# Altium PCB CYAN_EVSE_Logic_board_v1.2.PcbDoc (continued)
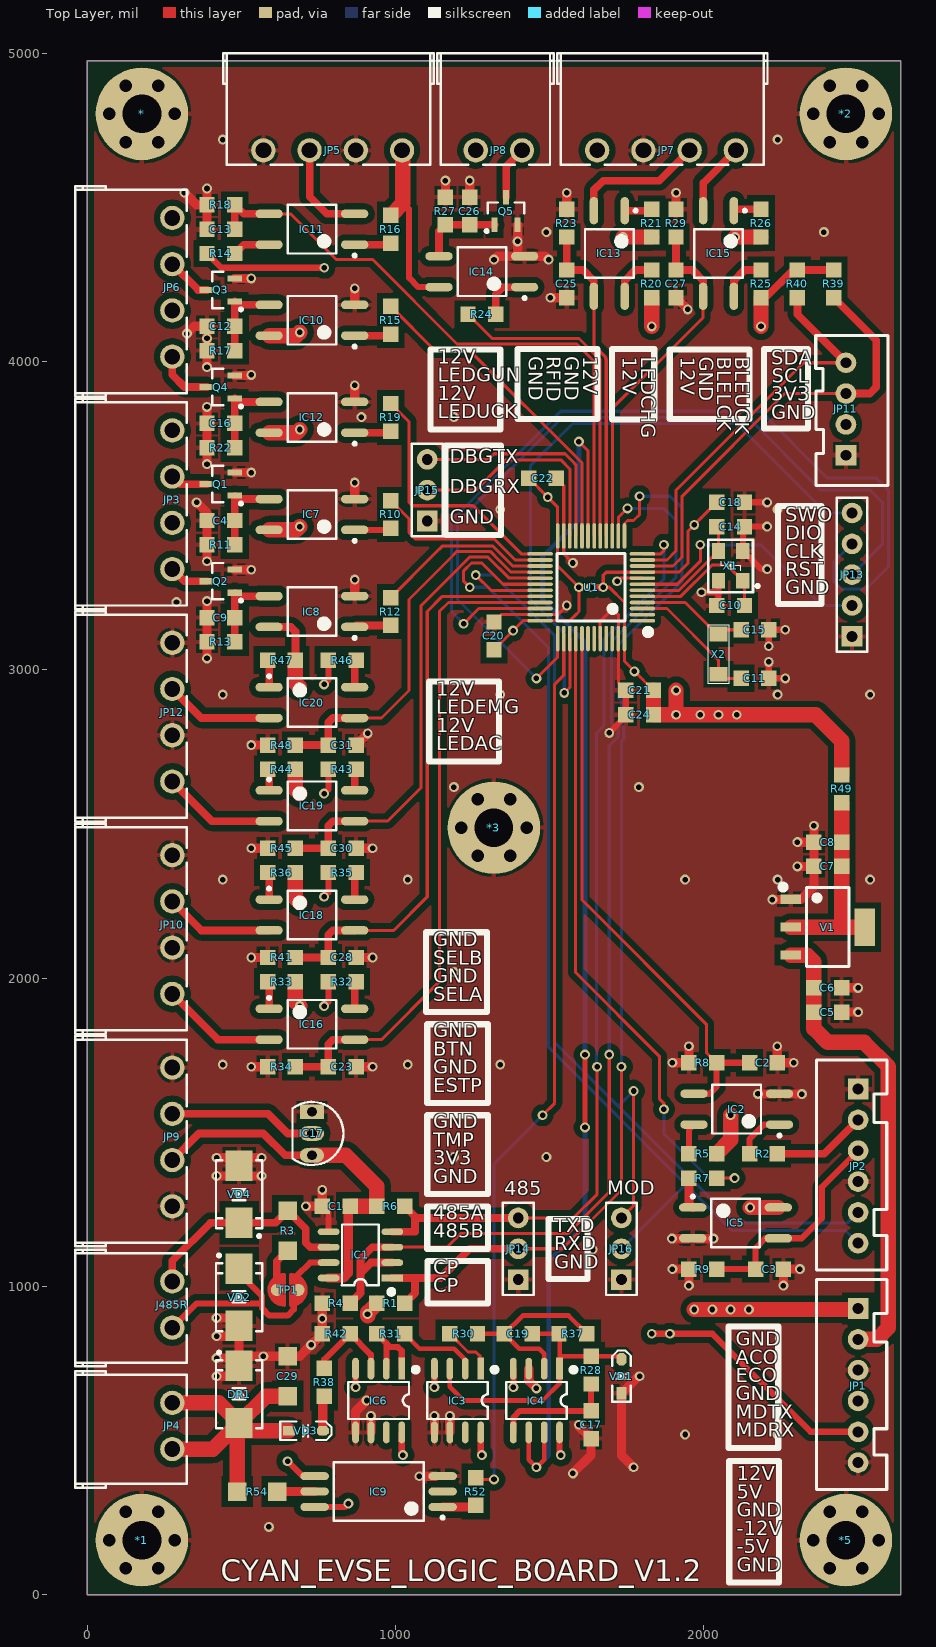
[diagram p0: Top Layer view]
## Via types (continued)

## Nets (pads, with @x,y where several pads share a name; then routed paths per layer and width w, separated by ;. In a path a pad name is that pad's centre, name@x,y a point inside that pad or via, vN(x,y) a via of type N, cw(c..) or ccw(c..) an arc to the next point about the centre after c; other vN are vias at no path point)
18B20_DATA: IC17.2 JP9.2 | length 479.2
  Top Layer w25: JP9.2 585.83,1559.84 649.61,1496.06 IC17.2
232_RX: JP2.6 JP16.2 U1.30 | length 3543.5
  Top Layer w10: v1(1240.16,3267.72) 1220.47,3287.4 1220.47,3321 1245.93,3346.46 1279.53,3346.46 1348.42,3277.56 U1.30
  Bottom Layer w10: v1(1240.16,3267.72) 1299.21,3267.72 1496.06,3070.87 1496.06,1775.67 1933.15,1338.58 1938.1,1333.63 1940.98,1330.75 ; JP16.2 1940.98,1330.75 ; JP2.6 2459,1181.16 2090.57,1181.16 1940.98,1330.75
232_TX: JP2.5 JP16.3 U1.31 | length 3624.7
  Top Layer w10: v1(1259.84,3307.09) 1309.06,3257.87 U1.31 ; JP16.3 1771.65,1261.42 v1(1771.65,1633.86)
  Bottom Layer w10: v1(1259.84,3307.09) 1318.9,3307.09 1515.75,3110.24 1515.75,1791.34 1724.03,1583.06 ; v1(1771.65,1633.86) 1724.03,1586.23 1724.03,1583.06 ; JP2.5 2466,1206.16 2100.93,1206.16 1724.03,1583.06
485_CS: IC1.2 IC1.3 R4.2 U1.14 | length 3737.5
  Top Layer w10: IC1.3 1166.73,1127.36 1210.55,1171.18 1558.04,1171.18 1692.91,1306.06 v1(1692.91,1751.97) ; U1.14 1722.44,3494.1 v1(1751.97,3523.62)
  Top Layer w25: R4.2 885.83,978.62 885.83,1043.31 ; IC1.2 919.88,1077.36 885.83,1043.31 ; IC1.3 924.61,1127.36 885.83,1088.58 885.83,1043.31
  Bottom Layer w10: v1(1692.91,1751.97) 1692.91,2754.26 1714.28,2775.63 1721.91,2783.26 1721.91,2807.29 1714.28,2814.92 1704.93,2824.28 1699.44,2824.28 1699.44,2900.01 1699.44,3090.24 1909.45,3300.24 1909.45,3484.25 1870.08,3523.62 v1(1751.97,3523.62)
AC_LED: R12.2 U1.27 | length 581
  Top Layer w10: R12.2 1126.26,3375.98 1152.42,3402.14 1225.25,3402.14 1314.12,3402.14 1340.28,3375.98 1379.65,3336.61 U1.27
AC_OUT_IN: C2.2 IC2.3 R8.2 U1.41 | length 1847.5
  Top Layer w10: U1.41@1604.33,3124.24 1604.33,2253.94 2007.87,1850.39 2007.87,1758.65 R8.2
  Top Layer w20: IC2.3 2018.5,1624.8 2041.1,1647.39 R8.2 C2.2
BLE_LOCK: C25.2 IC13.3 R23.2 U1.16 | length 1054
  Top Layer w10: IC13.3 1642.91,4051.83 1681.39,4013.36 1681.39,4007.59 1683.07,4005.91 U1.16
  Top Layer w25: R23.2 C25.2 1608.54,4296.97 1642.91,4262.6 IC13.3
BLE_UNLOCK: C27.2 IC15.3 R29.2 U1.15 | length 1159.3
  Top Layer w10: U1.15 1702.76,3848.43 1997.24,4142.91 IC15.3
  Top Layer w25: R29.2 C27.2 1962.87,4296.97 1997.24,4262.6 IC15.3
BTN: C28.2 IC18.3 R41.2 U1.32 | length 1871.4
  Top Layer w10: IC18.3 993.31,2154.72 1102.36,2263.78 1102.36,3188.98 1151.58,3238.19 U1.32
  Top Layer w25: R41.2 C28.2 ; C28.2@787.4,2072.56 C28.2 ; IC18.3 796.46,2154.72 781.77,2140.04 C28.2
CHG_LED: R24.2 U1.17 | length 1061.8
  Top Layer w10: R24.2 1313.27,4074.8 1594.49,4074.8 1663.39,4005.91 U1.17
CM_CP_SIG: IC4.6 IC4.7 U1.19 | length 4063.3
  Top Layer w10: v1(1594.49,3740.16) 1624.02,3710.63 U1.19
  Top Layer w15: IC4.6 1431.69,438.39 v1(1456.69,413.39) 1481.69,438.39 IC4.7 ; v1(1614.17,1515.75) v1(1614.17,1751.97)
  Bottom Layer w15: v1(1456.69,413.39) 1496.06,452.76 1496.06,1082.68 1614.17,1200.79 v1(1614.17,1515.75) ; v1(1594.49,3740.16) 1594.49,3484.25 1476.38,3366.14 1476.38,3228.35 1614.17,3090.55 v1(1614.17,1751.97)
CP: C29.2 DR1.1 JP4.1 JP4.2 R54.1 VD3.1 | length 1077.1
  Top Layer w50: JP4.2 407.48,472.44 DR1.1@486.18,551.14 ; JP4.1 426.77,622.44 DR1.1 ; R54.1 DR1.1@486.18,551.14 ; C29.2 578.7,643.66 DR1.1 ; VD3.1 517.72,531.5 DR1.1 ; DR1.1@486.18,551.14 DR1.1
CP_SIG: R52.1 U1.38 | length 2882.4
  Top Layer w10: R52.1 1265.47,374.02 v1(1318.9,374.02) ; v1(1476.38,1555.12) 1515.75,1594.49 1515.75,2893.7 1515.75,2952.76 1545.28,2982.28 U1.38
  Bottom Layer w10: v1(1318.9,374.02) 1318.9,1397.64 v1(1476.38,1555.12)
DEBUG_RX: JP15.2 U1.22 | length 733
  Top Layer w10: JP15.2 1259.84,3582.68 1358.27,3681.1 1535.43,3681.1 1564.96,3651.58 U1.22
DEBUG_TX: JP15.3 U1.21 | length 735.8
  Top Layer w10: JP15.3 1300.79,3682.68 1318.9,3700.79 1549.35,3700.79 1562.08,3688.06 1571.92,3678.22 1584.65,3665.49 U1.21
EMG_OUT: R10.2 U1.26 | length 590.3
  Top Layer w10: R10.2 1043.31,3489.88 1043.31,3444.88 1062.99,3425.2 1318.9,3425.2 1387.79,3356.3 U1.26
EMG_STOP: C23.2 IC16.3 R34.2 U1.33 | length 2163.5
  Top Layer w10: IC16.3 953.94,1800.39 1141.73,1988.19 1141.73,3188.98 1171.26,3218.5 U1.33
  Top Layer w25: R34.2 C23.2 781.77,1785.71 796.46,1800.39 IC16.3
GND: *1.0 *2.0 *3.0 *5.0 *.0 C1.1 C2.1 C3.1 C4.1 C5.1 C6.2 C7.2 C8.1 C9.1 C10.2 C11.1 C12.1 C13.1 C14.2 C15.1 C16.1 C17.2 C18.1 C20.1 C21.1 C22.1 C23.1 C24.2 C25.1 C26.1 C27.1 C28.1 C29.1 C30.1 C31.1 DR1.2 IC1.5 IC2.2 IC3.5 IC3.6 IC4.3 IC5.2 IC6.5 IC6.6 IC7.2 IC8.2 IC9.3 IC10.2 IC12.2 IC14.2 IC17.1 JP1.3 JP1.6 JP2.1 JP2.4 JP5.2 JP5.4 JP7.3 JP9.1 JP9.4 JP10.1 JP10.3 JP11.1 JP12.1 JP12.3 JP13.1 JP14.1 JP15.1 JP16.1 Q1.2 Q2.2 Q3.2 Q4.2 Q5.2 R4.1 R8.1 R9.1 R11.1 R13.1 R17.1 R18.1 R22.1 R23.1 R27.1 R29.1 R34.1 R41.1 R42.1 R45.1 R48.1 U1.8 U1.23 U1.35 U1.44 U1.47 V1.1 VD1.1 VD2.1 VD4.1 X1.2 X1.4 | length 7668.1
  Top Layer w10: C20.1 1342.79,3179.13 U1.35 1525.59,3179.13 v1(1555.12,3208.66) ; C22.1 1545.28,3598.15 U1.23 1545.28,3375.98 v1(1574.8,3346.46) ; U1.44 1663.39,3157.24 v1(1703.86,3197.72) 1722.44,3179.13 1722.44,2956.97 C21.1 ; v1(1718.37,3287.4) 1728.21,3297.24 U1.8
  Top Layer w20: C1.1 782.48,1239.45 IC1.5 ; v1(1692.91,2795.28) 1746.34,2848.7 C24.2 C21.1 ; v1(1991.98,3251.83) 2047.24,3251.83 ; C10.2 2047.24,3214.29 2047.24,3251.83 ; X1.4 2047.24,3251.83 ; C14.2@2126.24,3459.2 X1.2 2185.3,3326.77 v1(2204.72,3326.77) ; C14.2 v1(2204.72,3464.57) ; C18.1 v1(2204.72,3543.31) ; v1(2210.36,3025.87) C11.1 v1(2263.78,2972.44) ; v1(2210.35,3076.5) C15.1 v1(2263.78,3129.92)
  Top Layer w30: v1(314.96,4547.24) 354.33,4507.87 R18.1 ; v1(323.03,4090.75) 346.46,4114.17 C12.1 v1(388.07,4074.8) R17.1 v1(388.07,3982.01) ; v1(354.33,3543.31) 388.07,3509.57 C4.1 R11.1 v1(388.07,3352.09) ; v1(388.07,3037.13) R13.1 C9.1 v1(388.07,3222.71) ; v1(388.07,3667.05) R22.1 C16.1 v1(388.07,3852.64) ; C13.1 R18.1 ; v1(388.07,4561.3) R18.1 ; v1(419.02,708.66) DR1.2@472.44,708.66 ; v1(419.02,767.72) DR1.2@472.44,767.72 ; v1(419.02,838.58) VD2.1@472.44,838.58 ; v1(419.02,897.64) VD2.1@472.44,897.64 ; v1(419.02,1358.27) VD4.1@472.44,1358.27 ; v1(419.02,1417.32) VD4.1@472.44,1417.32 ; Q2.2 v1(531.5,3324.8) ; Q1.2 v1(531.5,3639.76) ; Q4.2 529.53,3954.72 v1(531.5,3956.69) ; Q3.2 v1(531.5,4269.68) ; VD2.1 DR1.2 523.66,773.66 v1(570.87,773.66) C29.1 689.29,773.66 v1(725.69,810.06) R42.1 v1(762.09,895.67) R4.1 ; VD4.1@511.81,1358.27 v1(565.24,1358.27) ; VD4.1@511.81,1417.32 v1(565.24,1417.32) ; v1(531.5,1712.6) R34.1 ; v1(531.5,2066.93) R41.1 ; v1(531.5,2421.26) R45.1 ; v1(531.5,2755.91) R48.1 ; v1(708.66,1259.84) C1.1 v1(762.09,1313.27) ; IC8.2 v1(867.13,3292.4) ; IC7.2 v1(867.13,3607.36) ; IC12.2 v1(867.13,3922.32) ; IC10.2 v1(867.13,4237.28) ; IC6.5 869.88,594.29 v1(905.51,629.92) ; C23.1 v1(925.2,1712.6) ; C28.1 v1(925.2,2066.93) ; C30.1 v1(925.2,2421.26) ; C31.1 v1(909.55,2793.68) ; IC6.6 v1(919.88,580) ; v1(1076.36,384.03) IC9.3@1129.79,384.03 ; IC3.5 v1(1125.79,580) ; R27.1 v1(1161.42,4586.61) ; IC3.6 v1(1175.79,580) ; C26.1 v1(1240.16,4586.61) ; v1(1318.9,4330.71) 1329.96,4341.77 IC14.2@1402.36,4341.77 ; v1(1395.67,4389.76) Q5.2 ; 1395.67,4416.48 1395.67,4352.36 1406.69,4341.34 IC14.2 ; IC14.2@1424.42,4341.77 1485.01,4341.77 v1(1496.06,4330.71) ; IC4.3 1431.69,694.29 v1(1456.69,669.29) ; v1(1501.69,4206.97) C25.1 ; R23.1 v1(1555.12,4547.24) ; v1(1574.8,393.7) 1633.86,452.76 C17.2 1594.49,545.55 v1(1594.49,551.18) ; v1(1771.65,413.39) 1732.28,452.76 VD1.1 1787.4,708.66 v1(1791.34,708.66) ; v1(1896.02,1155) IC5.2@1949.45,1155 ; v1(1897.67,1056.14) R9.1 v1(1951.1,1002.72) ; v1(1897.67,1725.43) R8.1 v1(1951.1,1778.86) ; C27.1 v1(1947.22,4169.19) ; R29.1 v1(1909.45,4547.24) ; IC5.2@1977.27,1155 v1(2030.7,1155) ; v1(2175.37,1624.34) IC2.2@2228.79,1624.34 ; v1(2222.13,2254.72) V1.1@2275.56,2254.72 ; v1(2237.95,1778.86) C2.1 v1(2291.37,1725.43) ; v1(2257.63,1002.72) C3.1 v1(2311.05,1056.14) ; IC2.2@2264.13,1623.89 v1(2317.55,1623.89) ; V1.1 2314.96,2255.91 2356.57,2297.52 C7.2 ; v1(2303.15,2362.2) C7.2 ; v1(2303.15,2440.95) C8.1 ; v1(2356.57,2494.37) C8.1 ; C5.1 v1(2500,1889.76) ; C6.2 v1(2500,1968.5) ; C7.2 C8.1
  other v1: 589.06,219.72 1939.06,519.72 2239.06,519.72 1639.06,1119.72 1189.06,1419.72 1489.06,1419.72 439.06,1719.72 1039.06,1719.72 1339.06,1719.72 1189.06,2019.72 439.06,2319.72 1039.06,2319.72 1939.06,2319.72 2239.06,2319.72 2539.06,2319.72 1189.06,2619.72 1789.06,2619.72 439.06,2919.72 1339.06,2919.72 2239.06,2919.72 2539.06,2919.72 289.06,3219.72 1339.06,3519.72 2239.06,3519.72 889.06,3819.72 1189.06,3819.72 1489.06,4419.72 2389.06,4419.72 439.06,4719.72 2239.06,4719.72
GUN_LED: R15.2 U1.20 | length 1067.5
  Top Layer w10: R15.2 1127.68,4035.43 1240.16,4035.43 1604.33,3671.26 U1.20
LCD_SCL: JP11.3 R39.2 U1.10 | length 1461.4
  Top Layer w10: U1.10 1899.61,3336.61 1929.13,3366.14 1929.13,3562.99 2262.2,3896.06 JP11.3
  Top Layer w25: R39.2 2559.06,4069.17 2559.06,3917.32 2537.79,3896.06 JP11.3
LCD_SDA: JP11.4 R40.2 U1.11 | length 1316.8
  Top Layer w10: U1.11 1879.92,3356.3 1909.45,3385.83 1909.45,3582.68 2322.83,3996.06 JP11.4
  Top Layer w25: R40.2 2303.15,4153.54 JP11.4
NetC4_2: C4.2 IC7.3 Q1.1 R11.2 | length 275.5
  Top Layer w25: R11.2 C4.2 Q1.1 489.1,3553.94 IC7.3
NetC7_1: C7.1 C8.2 R49.1 V1.2 | length 645.8
  Top Layer w50: V1.2@2281.57,2165.35 2440.94,2165.35 ; R49.1 C8.2 C7.1 2446.57,2170.98 2440.94,2165.35 ; V1.2@2521.57,2165.35 2440.94,2165.35
NetC9_2: C9.2 IC8.3 Q2.1 R13.2 | length 275.5
  Top Layer w25: R13.2 C9.2 Q2.1 489.1,3238.98 IC8.3
NetC10_1: C10.1 U1.5 X1.1 | length 471.2
  Top Layer w10: U1.5 1925.06,3238.19 2026.2,3339.33 2075.74,3339.33 X1.1 2131.61,3283.46 C10.1
NetC11_2: C11.2 U1.3 X2.2 | length 440.4
  Top Layer w10: U1.3 1879.92,3198.82 2047.24,3031.5 X2.2 2061.02,2972.44 C11.2
NetC12_2: C12.2 IC10.3 Q3.1 R17.2 | length 275.5
  Top Layer w25: R17.2 C12.2 Q3.1 489.1,4183.86 IC10.3
NetC14_1: C14.1 U1.6 X1.3 | length 381
  Top Layer w10: U1.6 1919.29,3257.87 X1.3 2047.24,3458.94 C14.1
NetC15_2: C15.2 U1.4 X2.1 | length 356.8
  Top Layer w10: U1.4 1938.98,3218.5 2027.56,3129.92 C15.2
NetC16_2: C16.2 IC12.3 Q4.1 R22.2 | length 275.5
  Top Layer w25: R22.2 C16.2 Q4.1 489.09,3868.9 IC12.3
NetC17_1: C17.1 IC4.5 R28.2 | length 396.3
  Top Layer w20: IC4.5 1381.69,574.61 1403.27,596.18 C17.1 R28.2
NetC19_1: C19.1 IC3.3 IC4.1 R28.1 R37.2 VD1.2 | length 907.1
  Top Layer w15: IC3.3@1175.79,728.35 1175.79,674.61 1220.47,629.92 1476.38,629.92 1531.69,685.24 IC4.1 IC4.1@1531.69,767.72 ; C19.1 R37.2 1531.69,844.57 IC4.1@1531.69,767.72 ; VD1.2 1722.72,773.35 R28.1 1537.32,773.35 IC4.1@1531.69,767.72
NetC19_2: C19.2 IC4.2 R30.2 R37.1 | length 607.8
  Top Layer w15: R30.2 C19.2 ; IC4.2 1481.69,782.09 1465.52,798.26 1400.84,798.26 C19.2 ; R37.1 1560.75,905.51 1411.69,905.51 C19.2
NetC26_2: C26.2 IC14.3 Q5.1 R27.2 | length 269.9
  Top Layer w25: IC14.3 1140.75,4422.52 R27.2 C26.2 Q5.1
NetIC1_6: IC1.6 J485R.1 R3.2 VD4.2 | length 716.8
  Top Layer w25: J485R.1 275.59,1082.68 399.61,1206.69 VD4.2 610.19,1206.69 R3.2 708.66,1187.05 708.66,1141.73 723.03,1127.36 IC1.6
NetIC1_7: IC1.7 J485R.2 TP1.2 VD2.2 | length 808.1
  Top Layer w20: J485R.2 354.33,944.88 566.61,944.88 ; VD2.2 492.13,1043.31 566.61,968.83 566.61,944.88 ; 669.29,1023.62 679.96,1034.29 723.03,1077.36 IC1.7 ; TP1.2 669.29,973.31 669.29,939.57 669.29,925.2 649.61,905.51 590.55,905.51 566.61,929.46 566.61,944.88
NetIC2_1: IC2.1 R2.1 | length 164.7
  Top Layer w20: R2.1 2147.95,1478.65 2194.09,1524.8 IC2.1
NetIC2_4: IC2.4 R5.1 | length 101.4
  Top Layer w20: R5.1 1951.1,1508.38 IC2.4
NetIC3_1: IC3.1 R30.1 | length 174.5
  Top Layer w10: R30.1 1234.53,787.4 1259.84,787.4 1275.79,771.46 IC3.1@1275.79,728.35
NetIC3_2: IC3.2 R31.2 | length 265.4
  Top Layer w15: R31.2 1077.3,798.41 1189.78,798.41 1225.79,762.4 IC3.2@1225.79,728.35
NetIC5_1: IC5.1 R7.1 | length 100.6
  Top Layer w30: R7.1 1951.1,1268.53 IC5.1
NetIC6_1: IC6.1 IC6.2 R31.1 | length 244
  Top Layer w20: R31.1 969.88,815.83 ; IC6.2 969.88,815.83 ; IC6.1 1019.88,791.14 1007.57,803.46 982.25,803.46 969.88,815.83
NetIC6_3: IC6.3 R38.1 R42.2 | length 288.7
  Top Layer w20: R38.1 767.72,762.09 R42.2 919.88,778.66 IC6.3
NetIC7_1: IC7.1 R10.1 | length 119.2
  Top Layer w20: IC7.1 979.25,3453.94 R10.1
NetIC8_1: IC8.1 R12.1 | length 119.2
  Top Layer w25: IC8.1 872.13,3143.98 R12.1
NetIC9_1: IC9.1 R52.2 | length 102.3
  Top Layer w30: IC9.1 R52.2@1254.84,284.65
NetIC9_5: IC9.5 R54.2 | length 121
  Top Layer w30: R54.2 IC9.5
NetIC10_1: IC10.1 R15.1 | length 112.1
  Top Layer w25: IC10.1 R15.1@979.25,4083.86
NetIC11_1: IC11.1 R16.1 | length 119.2
  Top Layer w25: IC11.1 979.25,4379.13 R16.1
NetIC11_2: IC11.2 JP5.3 | length 319.4
  Top Layer w25: JP5.3 720.87,4535.04 776.77,4479.13 IC11.2
NetIC11_4: IC11.4 R14.1 | length 123.4
  Top Layer w25: R14.1 506.81,4379.13 IC11.4
NetIC12_1: IC12.1 R19.1 | length 119.2
  Top Layer w25: IC12.1 979.25,3768.9 R19.1
NetIC13_1: IC13.1 R21.1 | length 89.7
  Top Layer w25: IC13.1 1826.06,4489.17 R21.1
NetIC13_2: IC13.2 JP7.2 | length 431.1
  Top Layer w25: IC13.2 1642.91,4556.3 1673.23,4586.61 1855.12,4586.61 JP7.2
NetIC13_4: IC13.4 R20.1 | length 153
  Top Layer w25: IC13.4 1742.91,4262.6 1777.28,4296.97 R20.1
NetIC14_1: IC14.1 R24.1 | length 168
  Top Layer w25: R24.1 1324.53,4218.23 1347.64,4241.34 IC14.1
NetIC15_1: IC15.1 R26.1 | length 89.7
  Top Layer w25: IC15.1 2101.89,4493.82 R26.1
NetIC15_2: IC15.2 JP7.1 | length 239.9
  Top Layer w25: IC15.2 1997.24,4578.74 JP7.1
NetIC15_4: IC15.4 R25.1 | length 153
  Top Layer w25: IC15.4 2097.24,4262.6 2131.61,4296.97 R25.1
NetIC16_1: IC16.1 R33.1 | length 89.7
  Top Layer w25: R33.1 589.57,1983.54 IC16.1
NetIC16_2: IC16.2 JP10.4 | length 375.5
  Top Layer w25: JP10.4 424.02,1800.39 IC16.2
NetIC16_4: IC16.4 R32.1 | length 89.7
  Top Layer w25: IC16.4 867.13,1983.54 R32.1
NetIC18_1: IC18.1 R36.1 | length 89.7
  Top Layer w25: R36.1 589.57,2337.87 IC18.1
NetIC18_2: IC18.2 JP10.2 | length 353
  Top Layer w25: JP10.2 369.69,2154.72 IC18.2
NetIC18_4: IC18.4 R35.1 | length 89.7
  Top Layer w25: IC18.4 867.13,2337.88 R35.1
NetIC19_1: IC19.1 R44.1 | length 70
  Top Layer w25: R44.1 589.57,2672.52 IC19.1
NetIC19_2: IC19.2 JP12.4 | length 367.3
  Top Layer w25: JP12.4 404.33,2509.05 IC19.2
NetIC19_4: IC19.4 R43.1 | length 70
  Top Layer w25: IC19.4 867.13,2672.52 R43.1
NetIC20_1: IC20.1 R47.1 | length 89.7
  Top Layer w25: R47.1 589.57,3026.85 IC20.1
NetIC20_2: IC20.2 JP12.2 | length 353
  Top Layer w25: JP12.2 369.69,2843.7 IC20.2
NetIC20_4: IC20.4 R46.1 | length 89.7
  Top Layer w25: IC20.4 867.13,3026.85 R46.1
NetJP3_2: JP3.2 Q1.3 | length 122.6
  Top Layer w25: JP3.2 300,3602.36 Q1.3
NetJP3_4: JP3.4 Q2.3 | length 128.8
  Top Layer w25: JP3.4 314.96,3287.4 Q2.3
NetJP6_2: JP6.2 Q3.3 | length 147.1
  Top Layer w25: JP6.2 359.06,4232.28 Q3.3
NetJP6_4: JP6.4 Q4.3 | length 187.8
  Top Layer w25: JP6.4 275.59,3956.69 314.96,3917.32 Q4.3
NetJP8_1: JP8.1 Q5.3 | length 173.2
  Top Layer w25: Q5.3 1358.27,4633.46 JP8.1
NetR3_1: R3.1 TP1.1 | length 142
  Top Layer w25: TP1.1 614.61,1031.92 614.61,1081.11 R3.1
NetR38_2: R38.2 VD3.2 | length 114.1
  Top Layer w30: VD3.2 763.78,640.04 R38.2
NRST: JP13.2 U1.7 | length 845.8
  Top Layer w10: U1.7 1913.52,3277.56 1988.19,3352.23 v1(1988.19,3405.51)
  Bottom Layer w10: v1(1988.19,3405.51) 2185.04,3405.51 2381.89,3208.66 JP13.2
OUT_VOL: JP2.2 R2.2 | length 307.6
  Top Layer w25: R2.2 2390,1430.16 JP2.2
RELAY_EN: C3.2 IC5.3 JP2.3 R9.2 | length 717.4
  Top Layer w20: R9.2 C3.2 ; C3.2 2167.63,1124.32 2199.29,1155.98 IC5.3 2317.4,1155.98 2381.89,1220.47 2381.89,1322.05 JP2.3
RELAY_OUT: R7.2 U1.40 | length 2071.3
  Top Layer w10: U1.40@1583.87,3101.17 1583.87,2018.5 1855.34,1747.02 1855.34,1609.23 1870.08,1594.49 v1(1870.08,1574.8) ; R7.2 v1(2099.45,1351.42)
  Bottom Layer w10: v1(1870.08,1574.8) 1870.08,1496.06 2014.73,1351.42 v1(2099.45,1351.42)
RFID_UNLOCK: C13.2 IC11.3 R18.2 U1.18 | length 2020.7
  Top Layer w10: IC11.3 658.66,4479.13 807.09,4330.71 925.2,4330.71 1199.1,4056.8 1587.03,4056.8 1643.7,4000.14 U1.18
  Top Layer w25: C13.2 R18.2 506.81,4479.13 IC11.3
SELA: C30.2 IC19.3 R45.2 U1.29 | length 1602.2
  Top Layer w10: IC19.3 973.62,2509.05 1082.68,2618.11 1082.68,3208.66 1240.16,3366.14 1299.21,3366.14 1368.11,3297.24 U1.29
  Top Layer w25: R45.2 C30.2 781.77,2494.37 796.46,2509.05 IC19.3
SELB: C31.2 IC20.3 R48.2 U1.28 | length 1297.4
  Top Layer w10: IC20.3 953.94,2843.7 1043.31,2933.07 1043.31,3228.35 1172.94,3357.98 1199.1,3384.14 1306.67,3384.14 1332.83,3357.98 1373.88,3316.93 U1.28
  Top Layer w25: R48.2 C31.2 781.77,2829.02 796.46,2843.7 IC20.3
ST_RXD: IC1.1 JP14.2 R1.1 U1.13 | length 3579.5
  Top Layer w10: JP14.2 1541.43,1122.05 1732.28,1312.9 v1(1732.28,1712.6) ; U1.13 1742.13,3474.41 1751.97,3484.25 1771.65,3484.25 1791.34,3503.94 v1(1791.34,3562.99)
  Top Layer w25: IC1.1 1062.99,1027.36 ; R1.1 1062.99,978.62 1062.99,1027.36 ; JP14.2 1240.16,1122.05 1145.47,1027.36 1062.99,1027.36
  Bottom Layer w10: v1(1732.28,1712.6) 1732.28,2768.18 1739.91,2775.81 1739.91,2814.74 1732.28,2822.37 1732.28,2899.7 1722.44,2909.54 1722.44,3080.71 1929.13,3287.4 1929.13,3523.62 1889.76,3562.99 v1(1791.34,3562.99)
ST_TXD: IC1.4 JP14.3 R6.1 U1.12 | length 3079.7
  Top Layer w10: JP14.3 1576.38,1222.05 1653.54,1299.21 v1(1653.54,1712.6) ; U1.12 1860.24,3375.98 1870.08,3385.83 v1(1870.08,3405.51)
  Top Layer w25: IC1.4 1062.99,1177.36 1062.99,1226.1 R6.1 ; 1067.05,1222.05 JP14.3
  Bottom Layer w10: v1(1653.54,1712.6) 1651.9,1714.24 1651.9,2795.28 1676.44,2819.82 1676.44,2890.49 1676.44,3099.76 1870.08,3293.4 v1(1870.08,3405.51)
SWCLK: JP13.3 U1.37 | length 2678
  Top Layer w10: v1(1456.69,2972.44) 1525.59,3041.34 U1.37
  Bottom Layer w10: v1(1456.69,2972.44) 1200.79,3228.35 1200.79,3478.48 1541.2,3818.9 2142.79,3818.9 2379.01,3582.68 2539.37,3582.68 2578.74,3543.31 2578.74,3407.09 JP13.3
SWDIO: JP13.4 U1.34 | length 2901.2
  Top Layer w10: v1(1220.47,3149.61) 1269.69,3198.82 U1.34
  Bottom Layer w10: v1(1220.47,3149.61) 1181.1,3188.98 1181.1,3484.25 1535.43,3838.58 2183.89,3838.58 2400.43,3622.05 2559.06,3622.05 2598.43,3582.68 2598.43,3333.84 2526.78,3262.2 2446.46,3262.2 2421.26,3287.4 2421.26,3349.61 JP13.4
SWO: JP13.5 U1.39 | length 2190
  Top Layer w10: v1@1546.96,2921.54 v1(1546.96,2924.92) 1564.96,2942.91 U1.39
  Bottom Layer w10: v1(1546.96,2924.92) 1546.96,3118.39 1437.01,3228.35 1437.01,3661.42 1574.8,3799.21 2106.3,3799.21 2396.85,3508.66 JP13.5
UCK_LED: R19.2 U1.25 | length 839.5
  Top Layer w10: R19.2 1043.31,3804.84 1043.31,3543.31 1054.42,3532.19 1251.27,3532.19 1407.48,3375.98 U1.25
VCC3V3: C1.2 C18.2 C20.2 C21.2 C22.2 C24.1 IC1.8 IC17.3 JP9.3 JP11.2 R1.2 R5.2 R6.2 R14.2 R20.2 R25.2 R32.2 R35.2 R39.1 R40.1 R43.2 R46.2 R49.2 U1.9 U1.24 U1.36 U1.48 | length 15214.4
  Top Layer w10: C20.2 v1(1380.77,3127.11) 1413.11,3159.45 1564.96,3159.45 1584.12,3178.61 1594.49,3188.98 v1(1594.49,3267.72) 1525.59,3336.61 U1.24 1525.59,3527.84 v1(1493.25,3560.18) C22.2 ; U1.9@1799.75,3316.4 1682.54,3316.4 1673.23,3307.09 v1(1673.23,3267.72) 1692.91,3267.72 1742.13,3218.5 U1.48 1742.13,3027.28 v1(1774.47,2994.94) C21.2 ; U1.9 1919.29,3316.93 1948.82,3346.46 1948.82,3450.51 v1(1968.5,3470.2) C18.2
  Top Layer w20: R14.2 434.25,4304.21 v1(768.5,4304.21) ; v1(767.72,1909.45) 781.77,1923.5 R32.2 ; v1(767.72,2263.78) 781.77,2277.84 R35.2 ; v1(767.72,2598.43) 781.77,2612.48 R43.2 ; v1(767.72,2952.76) 781.77,2966.81 R46.2 ; v1(1594.49,3267.72) v1(1633.86,3267.72) v1(1673.23,3267.72)
  Top Layer w25: JP9.3 361.81,1496.06 570.87,1496.06 641.73,1425.2 IC17.3 ; R25.2 2199.09,4206.97 2289.09,4296.97 R40.1 R39.1
  Top Layer w30: IC1.8 830.51,1027.36 846.46,1043.31 846.46,1254.21 C1.2
  Top Layer w50: IC17.3 838.58,1425.2 939.25,1324.53 R6.2 C1.2 ; v1(908.63,910.18) v1@910.09,910.18 ; v1@909.39,905.51 910.09,906.21 v1@910.09,910.18 ; R1.2 910.09,915.72 v1@910.09,910.18 ; v1(1830.71,4114.17) R20.2 ; C21.2 C24.1 v1(1909.45,2854.33) ; v1(1909.45,2933.07) v1(1909.45,2854.33) ; R5.2 2086.61,1475.68 v1(2086.61,1555.12) ; v1(2185.04,4114.17) R25.2 ; R49.2 2446.58,2769.96 2362.2,2854.33 v1(2106.3,2854.33) v1(2047.24,2854.33) v1(1988.19,2854.33) v1(1909.45,2854.33)
  Layer 1 w50: IC17.3 795.28,1425.2 ; v1(768.5,4304.21) 767.72,4303.43 767.72,4114.17 ; v1(908.63,910.18) 908.63,1311.84 795.28,1425.2 ; v1(1380.77,3127.11) 1383.58,3129.92 1633.86,3129.92 ; v1(1493.25,3560.18) 1493.25,3546.12 1569.17,3470.2 1678.86,3470.2 ; v1(1594.49,3267.72) v1(1633.86,3267.72) ; v1(1673.23,3267.72) v1(1633.86,3267.72) ; v1@1771.65,2992.13 1633.86,3129.92 ; v1(1774.47,2994.94) 1867.26,2994.94 1909.45,2952.76 v1(1909.45,2854.33) ; v1(1968.5,3470.2) 1678.86,3470.2 ; v1(2086.61,1555.12) 2086.61,2716.54 1988.19,2814.96 ; v1(2106.3,2854.33) v1(2047.24,2854.33) v1(1988.19,2854.33) 1988.19,2814.96 ; JP11.2 2385.04,3796.06 2185.04,3996.06 v1(2185.04,4114.17) 767.72,4114.17 ; 767.72,2736.22 1909.45,2736.22 1988.19,2814.96 ; 767.72,2736.22 v1(767.72,2952.76) 767.72,4114.17 ; 767.72,2736.22 v1(767.72,2598.43) v1(767.72,2263.78) v1(767.72,1909.45) 826.77,1850.39 826.77,1456.69 795.28,1425.2 ; 1633.86,3129.92 v1(1633.86,3267.72) ; v1(1633.86,3267.72) 1643.7,3277.56 1643.7,3435.04 1678.86,3470.2
VCC5V: C5.2 C6.1 IC3.8 IC4.8 IC6.8 JP1.2 V1.3 | length 3412.3
  Top Layer w20: IC6.8 1019.88,456.5 v1(1023.62,452.76) ; IC3.8 1275.79,456.5 v1(1279.53,452.76) ; IC4.8 1531.69,456.5 v1(1535.43,452.76)
  Top Layer w50: V1.3 2334.65,2074.8 2356.58,2052.87 C6.1 C5.2 2356.58,1836.34 2401.57,1791.34 2519.68,1791.34 2598.43,1712.6 2598.43,866.14 2560.63,828.35 JP1.2
  Layer 1 w30: v1(1023.62,452.76) v1(1279.53,452.76) v1(1535.43,452.76) 1614.17,452.76 1989.76,828.35 JP1.2
VCC12V: IC5.4 IC7.4 IC8.4 IC9.6 IC10.4 IC12.4 IC14.4 JP1.1 JP3.1 JP3.3 JP5.1 JP6.1 JP6.3 JP7.4 JP8.2 R16.2 R21.2 R26.2 R33.2 R36.2 R44.2 R47.2 | length 12115.4
  Top Layer w20: IC9.6 835.83,284.65 v1(846.46,295.28) ; 1023.62,4513.51 1043.31,4493.82 1043.31,4271.65 1073.62,4241.34 IC14.4
  Top Layer w25: IC8.4 660.24,3138.98 674.92,3124.29 R47.2
  Top Layer w50: IC7.4 678.35,3453.94 v1(688.98,3464.57) ; IC12.4 678.35,3768.9 v1(688.98,3779.53) ; IC10.4 678.35,4083.86 v1(688.98,4094.49) ; R33.2 674.92,1923.5 v1(688.98,1909.45) ; R36.2 674.92,2258.15 v1(688.98,2244.09) ; R44.2 674.92,2612.48 v1(688.98,2598.43) ; R47.2 674.92,2957.23 v1(687.38,2944.77) ; R16.2 1023.62,4513.51 1023.62,4682.28 JP5.1 ; v1(1737.91,4403.82) R21.2 ; v1(1968.5,925.2) v1(2027.56,925.2) v1(2086.61,925.2) v1(2145.67,925.2) JP1.1@2496.85,925.2 ; v1(2100.67,4403.82) R26.2 ; v1(2149.53,1255.98) IC5.4
  Layer 1 w50: JP3.3 629.92,3476.77 ; JP3.1 627.17,3776.77 629.92,3779.53 ; JP6.3 283.07,4173.23 629.92,4173.23 ; JP6.1 458.27,4465.75 629.92,4294.09 ; 629.92,2598.43 v1(688.98,2598.43) ; v1(687.38,2944.77) 629.92,2944.77 ; v1(688.98,1909.45) 629.92,1909.45 ; v1(688.98,2244.09) 629.92,2244.09 ; v1(688.98,3464.57) 629.92,3464.57 ; v1(688.98,3779.53) 629.92,3779.53 ; v1(688.98,4094.49) 629.92,4094.49 ; v1(846.46,295.28) 846.46,590.55 767.72,669.29 ; v1(2100.67,4403.82) v1(1737.91,4403.82) 1653.54,4488.19 JP7.4 1555.12,4783.46 1358.27,4783.46 JP8.2 JP5.1 629.92,4294.09 ; v1(2149.53,1255.98) 2149.53,929.06 v1(2145.67,925.2) v1(2086.61,925.2) v1(2027.56,925.2) v1(1968.5,925.2) 1023.62,925.2 767.72,669.29 ; 629.92,1909.45 629.92,807.09 767.72,669.29 ; 629.92,1909.45 629.92,2244.09 ; 629.92,2244.09 629.92,2944.77 ; 629.92,2944.77 629.92,3464.57 ; 629.92,3464.57 629.92,3476.77 ; 629.92,3476.77 629.92,3779.53 ; 629.92,3779.53 629.92,4094.49 ; 629.92,4094.49 629.92,4173.23 ; 629.92,4173.23 629.92,4294.09
VCC-5V: IC3.4 IC4.4 IC6.4 JP1.5 | length 2089.4
  Top Layer w20: v1@866.14,669.29 v1(869.88,673.03) IC6.4 ; v1@1122.05,669.29 v1(1125.79,673.03) IC3.4 ; v1@1377.95,669.29 v1(1381.69,673.03) IC4.4 ; v1(1830.71,846.46) v1(1889.76,846.46) 2027.56,846.46 2345.67,528.35 JP1.5
  Layer 1 w20: v1(869.88,673.03) v1(1125.79,673.03) v1(1381.69,673.03) 1555.12,846.46 v1(1830.71,846.46) v1(1889.76,846.46)
VCC-12V: IC9.4 JP1.4 | length 2299
  Top Layer w20: v1(649.61,433.07) 698.03,384.65 IC9.4
  Layer 1 w30: v1(649.61,433.07) 649.61,295.28 728.35,216.54 2088.19,216.54 JP1.4
pads on no net: IC3.7 IC6.7 IC9.2 U1.1 U1.2 U1.42 U1.43 U1.45 U1.46

## Polygon pours and split planes (outlines as drawn)
GND on Layer 1 "NONET_L-01_P-001" (solid, remove dead copper, pour order 1): 0,0 2637.79,0 2637.79,4976.38 0,4976.38
GND on Bottom Layer "NONET_L-01_P-001" (solid, remove dead copper, pour order 2): 0,0 2637.79,0 2637.79,4976.38 0,4976.38
GND on Top Layer "NONET_L-01_P-001" (solid, remove dead copper, pour order 0): 0,0 2637.8,0 2637.8,4976.38 0,4976.38
GND on Layer 2 (split plane): 2617.7,20.1 20.1,20.1 20.1,4956.28 2617.7,4956.28

## Keep-outs
Keep-Out Layer:
  the board outline again, w3.94

## Silkscreen, mask and mechanical layers (free items; w line width, h text height)
Top Overlay:
  lines w19.68: 1099.03,1889.76 1295.88,1889.76 1295.88,2148.76 1099.03,2148.76 1099.03,1889.76 ; 1102.36,1122.05 1102.36,1259.84 1299.21,1259.84 1299.21,1122.05 1102.36,1122.05 ; 1102.36,1299.21 1299.21,1299.21 1299.21,1555.12 1102.36,1555.12 1102.36,1299.21 ; 1102.36,1594.49 1102.36,1850.39 1299.21,1850.39 1299.21,1594.49 1102.36,1594.49 ; 1103.62,944.88 1299.21,944.88 1299.21,1082.68 1103.62,1082.68 1103.62,944.88 ; 1108.88,2702.92 1108.88,2961.91 1334.86,2961.91 1334.86,2702.92 1108.88,2702.92 ; 1113.17,3779.63 1113.17,4038.62 1339.15,4038.62 1339.15,3779.63 1113.17,3779.63 ; 1161.42,3437.95 1342.17,3437.95 1342.17,3727.6 1161.42,3727.6 1161.42,3437.95 ; 1395.02,3814.04 1654.02,3814.04 1654.02,4040.01 1395.02,4040.01 1395.02,3814.04 ; 1495.44,1023.62 1495.44,1218.98 1621.95,1218.98 1621.95,1023.62 1495.44,1023.62 ; 1701.04,3812.3 1838.84,3812.3 1838.84,4040.02 1701.04,4040.02 1701.04,3812.3 ; 1889.05,3813.15 2148.05,3813.15 2148.05,4039.12 1889.05,4039.12 1889.05,3813.15 ; 2078.95,476 2078.95,869.7 2241.03,869.7 2241.03,476 2078.95,476 ; 2082.02,39.37 2244.09,39.37 2244.09,433.07 2082.02,433.07 2082.02,39.37 ; 2194.62,3782.3 2337.01,3782.3 2337.01,4041.29 2194.62,4041.29 2194.62,3782.3 ; 2239.5,3213.83 2381.89,3213.83 2381.89,3531.89 2239.5,3531.89 2239.5,3213.83
  text "GND" at 1414.7,4016.99 h78.74 r270
  text "RFID" at 1473.76,4016.99 h78.74 r270
  text "GND" at 1532.81,4016.99 h78.74 r270
  text "12V" at 1591.87,4016.99 h78.74 r270
  text "12V" at 1720.73,4015.75 h78.74 r270
  text "LEDCHG" at 1779.78,4015.75 h78.74 r270
  text "12V" at 1908.74,4016.1 h78.74 r270
  text "GND" at 1967.79,4016.1 h78.74 r270
  text "BLELCK" at 2026.85,4016.1 h78.74 r270
  text "BLEUCK" at 2085.9,4016.1 h78.74 r270
  text "12V" at 1136.19,3976.48 h78.74
  text "SDA" at 2218.9,3973.97 h78.74
  text "LEDGUN" at 1136.19,3917.42 h78.74
  text "SCL" at 2219.14,3914.39 h78.74
  text "12V" at 1136.19,3858.37 h78.74
  text "3V3" at 2218.9,3855.86 h78.74
  text "LEDUCK" at 1136.19,3799.31 h78.74
  text "GND" at 2218.9,3796.81 h78.74
  text "DBGTX" at 1175.41,3654.59 h78.74
  text "DBGRX" at 1175.41,3556.16 h78.74
  text "SWO" at 2263.78,3464.57 h78.74
  text "GND" at 1175.41,3457.74 h78.74
  text "DIO" at 2263.78,3405.51 h78.74
  text "CLK" at 2263.78,3346.46 h78.74
  text "RST" at 2263.78,3287.4 h78.74
  text "GND" at 2263.78,3228.35 h78.74
  text "12V" at 1131.9,2899.77 h78.74
  text "LEDEMG" at 1131.9,2840.71 h78.74
  text "12V" at 1131.9,2781.66 h78.74
  text "LEDAC" at 1131.9,2722.6 h78.74
  text "GND" at 1122.05,2086.61 h78.74
  text "SELB" at 1122.05,2027.56 h78.74
  text "GND" at 1122.05,1968.5 h78.74
  text "SELA" at 1122.05,1909.45 h78.74
  text "GND" at 1122.05,1791.34 h78.74
  text "BTN" at 1122.05,1732.28 h78.74
  text "GND" at 1122.05,1673.23 h78.74
  text "ESTP" at 1122.05,1614.17 h78.74
  text "GND" at 1122.05,1496.06 h78.74
  text "TMP" at 1122.05,1437.01 h78.74
  text "3V3" at 1122.05,1377.95 h78.74
  text "GND" at 1122.05,1318.9 h78.74
  text "MOD" at 1685.54,1281.47 h78.74
  text "485" at 1352.49,1279.08 h78.74
  text "485A" at 1122.05,1200.79 h78.74
  text "TXD" at 1515.13,1159.93 h78.74
  text "485B" at 1122.05,1141.73 h78.74
  text "RXD" at 1515.13,1100.87 h78.74
  text "GND" at 1515.13,1041.82 h78.74
  text "CP" at 1122.05,1023.62 h78.74
  text "CP" at 1122.05,964.57 h78.74
  text "GND" at 2103.23,790.96 h78.74
  text "ACO" at 2103.23,731.91 h78.74
  text "ECO" at 2103.23,672.85 h78.74
  text "GND" at 2103.23,613.8 h78.74
  text "MDTX" at 2103.23,554.74 h78.74
  text "MDRX" at 2103.23,495.69 h78.74
  text "12V" at 2106.3,354.33 h78.74
  text "5V" at 2106.3,295.28 h78.74
  text "GND" at 2106.3,236.22 h78.74
  text "-12V" at 2106.3,177.17 h78.74
  text "-5V" at 2106.3,118.11 h78.74
  text "GND" at 2106.3,59.06 h78.74
  text "CYAN_EVSE_LOGIC_BOARD_V1.2" at 433.07,19.68 h120

## Text inside footprints (layer, text, board x,y; h text height)
J485R: Mechanical 14 "2" at 171.26,879.53 h39.37 r270; Mechanical 14 "1" at 171.26,1029.53 h39.37 r270
JP3: Mechanical 14 "4" at 171.26,3340.16 h39.37 r270; Mechanical 14 "3" at 171.26,3490.16 h39.37 r270; Mechanical 14 "2" at 171.26,3640.16 h39.37 r270; Mechanical 14 "1" at 171.26,3790.16 h39.37 r270
JP4: Mechanical 14 "2" at 171.26,485.83 h39.37 r270; Mechanical 14 "1" at 171.26,635.83 h39.37 r270
JP5: Mechanical 14 "4" at 584.25,4789.37 h39.37 r180; Mechanical 14 "3" at 734.25,4789.37 h39.37 r180; Mechanical 14 "2" at 884.25,4789.37 h39.37 r180; Mechanical 14 "1" at 1034.25,4789.37 h39.37 r180
JP6: Mechanical 14 "4" at 171.26,4029.13 h39.37 r270; Mechanical 14 "3" at 171.26,4179.13 h39.37 r270; Mechanical 14 "2" at 171.26,4329.13 h39.37 r270; Mechanical 14 "1" at 171.26,4479.13 h39.37 r270
JP7: Mechanical 14 "4" at 1666.93,4789.37 h39.37 r180; Mechanical 14 "3" at 1816.93,4789.37 h39.37 r180; Mechanical 14 "2" at 1966.93,4789.37 h39.37 r180; Mechanical 14 "1" at 2116.93,4789.37 h39.37 r180
JP8: Mechanical 14 "2" at 1273.23,4789.37 h39.37 r180; Mechanical 14 "1" at 1423.23,4789.37 h39.37 r180
JP9: Mechanical 14 "4" at 171.26,1273.23 h39.37 r270; Mechanical 14 "3" at 171.26,1423.23 h39.37 r270; Mechanical 14 "2" at 171.26,1573.23 h39.37 r270; Mechanical 14 "1" at 171.26,1723.23 h39.37 r270
JP10: Mechanical 14 "4" at 171.26,1962.2 h39.37 r270; Mechanical 14 "3" at 171.26,2112.2 h39.37 r270; Mechanical 14 "2" at 171.26,2262.21 h39.37 r270; Mechanical 14 "1" at 171.26,2412.21 h39.37 r270
JP12: Mechanical 14 "4" at 171.26,2651.18 h39.37 r270; Mechanical 14 "3" at 171.26,2801.18 h39.37 r270; Mechanical 14 "2" at 171.26,2951.18 h39.37 r270; Mechanical 14 "1" at 171.26,3101.18 h39.37 r270